# Altium PCB Mixed_Signal_Board_PCB.PcbDoc (part 3 of 4)
Units mm, origin at the board's own origin, x right, y up, seen from the top; angles counter-clockwise.
Board outline 144 x 107 mm, 4 copper layers (Top, PWR, GND, Bottom), stack 1.514 mm thick; 243 components, 208 nets, 912 pads, 526 vias.
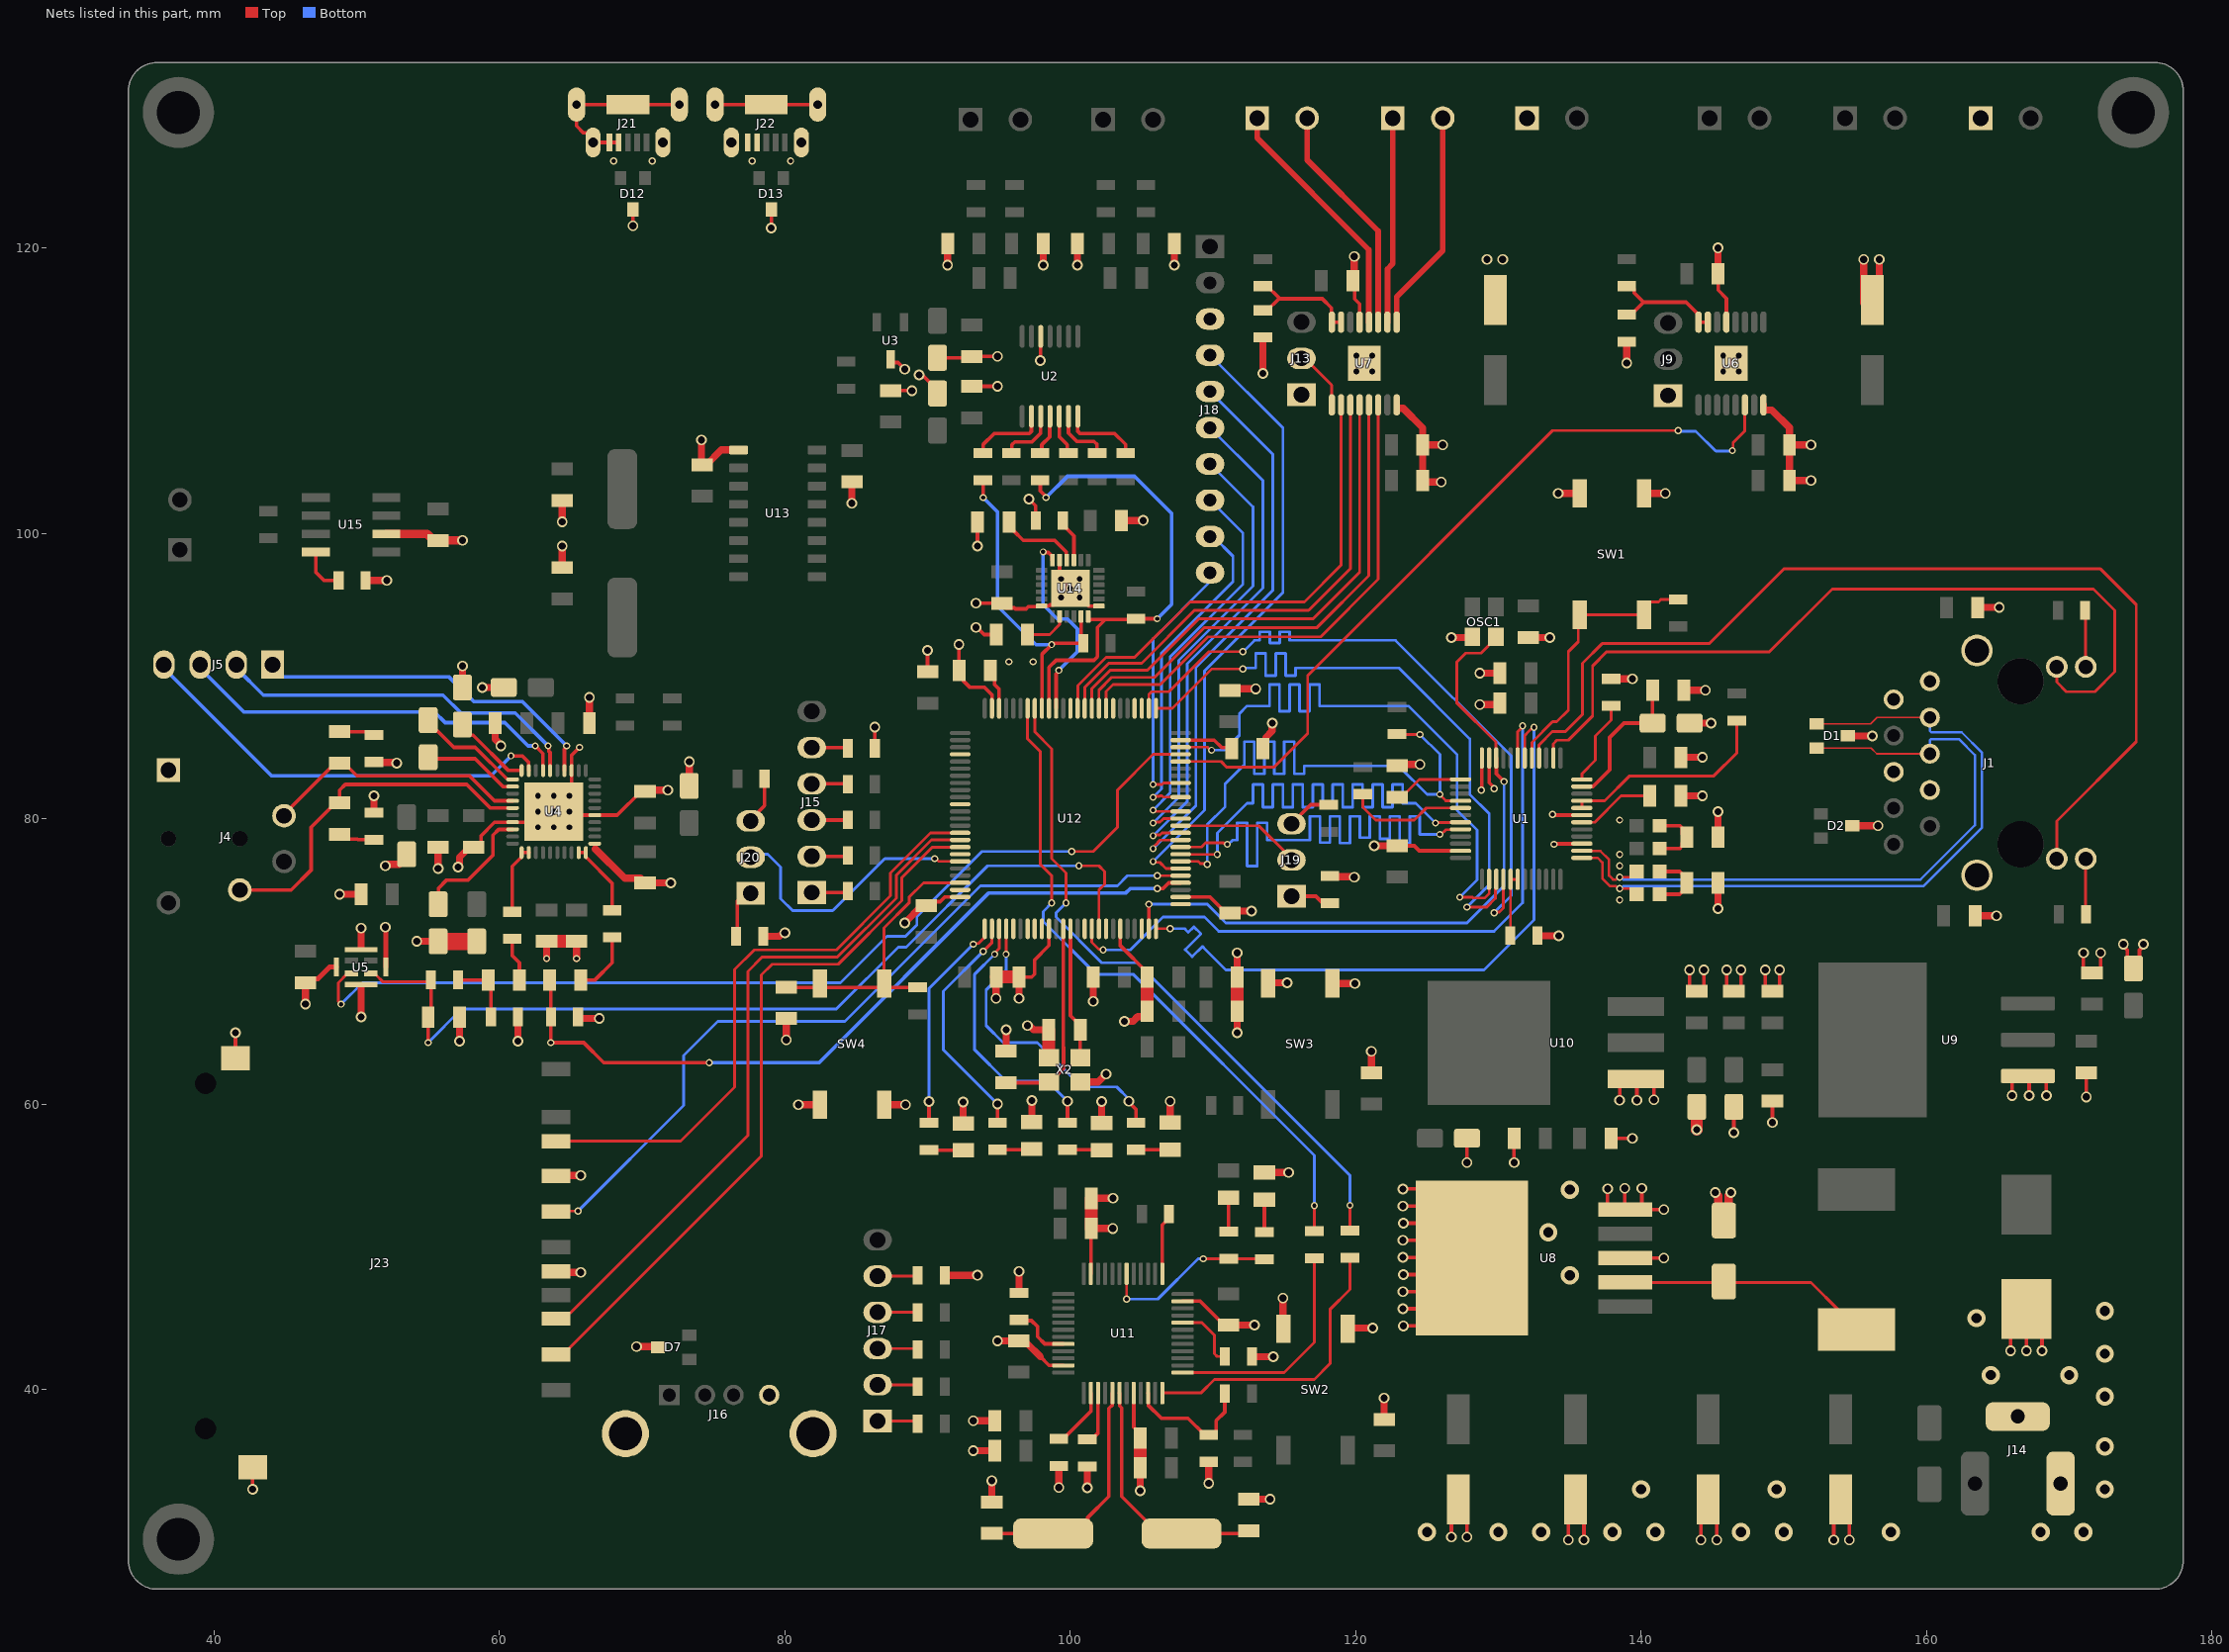
[diagram p5: the nets of this part, all layers, seen from the top]

## Via types
v1: diameter 0.75, hole 0.5, Top to Bottom, 298 vias
v2: diameter 0.5, hole 0.3, Top to Bottom, 142 vias
v3: diameter 1.27, hole 0.711, Top to Bottom, 63 vias
v4: diameter 0.6, hole 0.4, Top to Bottom, 22 vias
v5: diameter 1.25, hole 1, Top to Bottom, 1 vias

## Nets (pads, with @x,y where several pads share a name; then routed paths per layer and width w, separated by ;. In a path a pad name is that pad's centre, name@x,y a point inside that pad or via, vN(x,y) a via of type N, cw(c..) or ccw(c..) an arc to the next point about the centre after c; other vN are vias at no path point) (continued)
DRV1_SLEEP: U6.14 U12.46 | length 55.1
  Top w0.2: U12.46@107.733,84.008 110.568,84.008 110.976,83.6 114.268,83.6 116.635,85.967 116.635,90.035 133.8,107.2 v2(142.6,107.2) ; v2(146.4,105.8) 146.45,105.85 146.45,106.35 147.275,107.175 U6.14@147.275,109
  Bottom w0.2: v2@142.539,107.161 143.839,107.161 145.239,105.761 v2@146.339,105.761
DRV2_AIN1: U7.13 U12.59 | length 35.5
  Top w0.2: U12.59@102.008,87.733 102.008,89.008 102.9,89.9 105.9,89.9 109.4,93.4 117.3,93.4 120.925,97.025 U7.13@120.925,109
DRV2_AIN2: U7.12 U12.60 | length 35.2
  Top w0.2: U12.60@101.508,87.733 101.508,89.108 102.8,90.4 105.4,90.4 109,94 117,94 120.275,97.275 U7.12@120.275,109
DRV2_AOUT1: J10.2 U7.1 | length 15.6
  Top w0.4: U7.1@122.875,114.8 122.875,116.575 126.1,119.8 J10.2@126.1,129.1
DRV2_AOUT2: J10.1 U7.2 | length 14.5
  Top w0.4: U7.2@122.225,114.8 122.225,118.525 122.6,118.9 J10.1@122.6,129.1
DRV2_BIN1: U7.11 U12.61 | length 35
  Top w0.2: U12.61@101.008,87.733 101.008,89.208 102.7,90.9 105,90.9 108.7,94.6 116.7,94.6 119.625,97.525 U7.11@119.625,109
DRV2_BIN2: U7.10 U12.62 | length 34.8
  Top w0.2: U12.62@100.508,87.733 100.527,87.752 100.527,89.327 102.5,91.3 104.5,91.3 108.4,95.2 116.4,95.2 118.975,97.775 U7.10@118.975,109
DRV2_BOUT1: J12.1 U7.4 | length 17.5
  Top w0.4: J12.1@113.1,129.1 113.1,127.7 120.925,119.875 U7.4@120.925,114.8
DRV2_BOUT2: J12.2 U7.3 | length 16.4
  Top w0.4: J12.2@116.6,129.1 116.6,126.171 121.575,121.196 U7.3@121.575,114.8
DRV2_DCY/TOFF: J13.2 U7.9 | length 4.3
  Top w0.2: J13.2@116.2,112.26 116.45,112.26 118.325,110.385 U7.9@118.325,109
DRV2_SLEEP: U7.14 U12.58 | length 35.7
  Top w0.2: U12.58@102.508,87.733 102.508,88.908 103,89.4 106.3,89.4 109.65,92.75 117.55,92.75 121.575,96.775 U7.14@121.575,109
ETH_CRS_DV: R9.1 U1.40 U12.32 | length 46.1
  Top w0.191: U12.32@107.754,77.008 108.967,77.008 109.116,76.859 109.541,76.859 v2(109.6,76.8) ; R9.1@122.91,85.915 122.925,85.9 v2(124.5,85.9) ; v2(125.9,81.7) 125.9,81.663 126.313,81.25 U1.40@127.329,81.25
  Bottom w0.191: v2(109.6,76.8) 109.6,79.6 110.85,80.85 110.85,82.45 112.1,83.7 112.196,83.7 112.196,85.399 112.895,85.399 112.895,83.139 113.594,83.139 113.594,85.399 114.294,85.399 114.294,83.139 114.993,83.139 114.993,85.399 115.693,85.399 115.693,83.139 116.392,83.139 116.392,83.7 116.7,83.7 123,83.7 125,81.7 v2(125.9,81.7) 125.9,84.5 v2(124.5,85.9)
ETH_MDC: U1.31 U12.16 | length 48.3
  Top w0.191: U12.16@101.504,72.266 101.504,71.352 101.997,70.859 102.241,70.859 v2(102.3,70.8) ; U1.31@131.36,84.26 131.35,84.271 131.35,86.09 131.7,86.44 v2(131.7,86.5)
  Bottom w0.191: v2(102.3,70.8) 104.2,70.8 106.5,73.1 109.4,73.1 110.4,72.1 129.7,72.1 131.7,74.1 v2(131.7,86.5)
ETH_MDIO: U1.30 U12.25 | length 48.2
  Top w0.191: U12.25@106.018,72.273 106.046,72.3 v2(107,72.3) ; U1.30@131.85,84.271 131.85,85.834 132.087,86.07 132.416,86.4 v2(132.5,86.4)
  Bottom w0.191: v2(107,72.3) 108,72.3 108.2,72.1 108.268,72.032 108.661,72.425 109.155,71.931 108.043,70.818 108.537,70.324 109.257,71.043 109.482,70.818 109.55,70.75 110.9,69.4 129,69.4 132.5,72.9 v2(132.5,86.4)
ETH_PFBIN1: C10.2 U1.18 | length 5.3
  Top w0.2: U1.18@135.85,79.75 136.75,79.75 138.6,81.6 C10.2@140.4,81.6
ETH_PFBIN2: C11.2 U1.37 | length 5
  Top w0.2: C11.2@122.9,81.5 123.2,81.5 124.45,82.75 U1.37@127.35,82.75
ETH_PFBOUT: C8.1 C9.2 U1.23 | length 10.3
  Top w0.254: U1.23@135.85,82.25 135.859,82.259 136.646,82.259 137.8,83.413 137.8,85.7 138.8,86.7 C8.1@140.8,86.7 C9.2@140.8,88.9
ETH_PHY_RESET: R1.1 SW1.2 SW1.4 U1.29 | length 18.9
  Top w0.2: U1.29@132.35,84.25 132.35,85.35 133.8,86.8 134.1,86.8 134.9,87.6 134.9,91.7 135.6,92.4 135.6,93.731 SW1.4@135.794,93.925 ; SW1.4@135.7,94.3 SW1.2@140.2,94.3 140.2,94.8 140.6,95.2 141.238,95.2 141.413,95.375 R1.1@142.6,95.375
ETH_RBIAS: R11.2 U1.24 | length 6
  Top w0.2: U1.24@135.85,82.75 135.85,83.15 136.8,84.1 136.8,85.8 137.9,86.9 R11.2@137.9,87.9
ETH_REF_CLK: OSC1.3 U1.34 U12.24 | length 48.8
  Top w0.2: OSC1.3@129.825,92.75 129.825,92.65 128.775,91.6 127.7,91.6 127.1,91 127.1,88.1 129.831,85.369 U1.34@129.831,84.819 ; U1.34@129.831,84.269 U1.34@129.85,84.25
  Top w0.254: v2(105.5,74) 105.504,73.996 105.504,72.287 U12.24@105.508,72.283 ; U1.34@129.831,84.819 129.831,84.269 129.859,84.241 129.859,83.141 v2(130.4,82.6)
  Bottom w0.193: v2(105.5,74) 109.6,74 110.6,73
  Bottom w0.2: 110.6,73 110.9,72.7 127.8,72.7 130.4,75.3 v2(130.4,82.6)
ETH_RXD_0: U1.43 U12.33 | length 47.7
  Top w0.191: U12.33@107.741,77.5 v2(110.3,77.5) ; v2(125.6,79.7) 125.629,79.729 127.308,79.729 U1.43@127.34,79.76
  Bottom w0.191: v2(110.3,77.5) 110.3,79 112.386,81.086 112.7,81.086 112.796,81.086 112.796,82.404 113.495,82.404 113.495,80.797 114.194,80.797 114.194,82.404 114.894,82.404 114.894,80.797 115.593,80.797 115.593,82.404 116.293,82.404 116.293,80.797 116.992,80.797 116.992,82.404 117.691,82.404 117.691,80.797 118.391,80.797 118.391,82.404 119.09,82.404 119.09,80.797 119.79,80.797 119.79,82.404 120.489,82.404 120.489,80.797 121.188,80.797 121.188,82.404 121.888,82.404 121.888,80.797 122.587,80.797 122.587,82.404 123.287,82.404 123.287,81.086 123.974,81.086 124.214,81.086 v2(125.6,79.7)
ETH_RXD_1: U1.44 U12.34 | length 48.7
  Top w0.191: U12.34@107.754,78.008 109.185,78.008 109.477,78.3 110.734,78.3 110.775,78.259 110.941,78.259 v2(111,78.2) ; v2(125.9,78.9) 125.984,78.9 126.313,79.229 127.309,79.229 U1.44@127.34,79.26
  Bottom w0.191: v2(111,78.2) 111.084,78.2 111.384,78.5 111.6,78.5 111.696,78.5 111.696,79.718 112.395,79.718 112.395,76.673 113.094,76.673 113.094,79.718 113.794,79.718 113.794,78.5 114.4,78.5 116.7,78.5 116.796,78.5 116.796,80.158 117.495,80.158 117.495,78.323 118.194,78.323 118.194,80.158 118.894,80.158 118.894,78.292 119.593,78.292 119.593,80.158 120.293,80.158 120.293,78.673 120.992,78.673 120.992,80.158 121.691,80.158 121.691,78.59 122.391,78.59 122.391,80.158 123.09,80.158 123.09,78.292 123.79,78.292 123.79,80.158 124.489,80.158 124.489,78.9 124.642,78.9 v2(125.9,78.9)
ETH_TX_EN: U1.2 U12.48 | length 47.8
  Top w0.191: U12.48@107.733,85.008 109.608,85.008 109.816,84.8 v2(109.9,84.8) ; v2(127.3,74.5) 128.179,74.5 128.242,74.437 129.037,74.437 129.35,74.75 U1.2@129.35,75.75
  Bottom w0.191: v2(109.9,84.8) 110.8,84.8 111.85,85.85 111.85,87.35 112.4,87.9 113.871,87.9 113.966,87.9 113.966,89.399 114.666,89.399 114.666,87.526 115.365,87.526 115.365,89.399 116.065,89.399 116.065,87.526 116.764,87.526 116.764,89.399 117.463,89.399 117.463,87.9 117.9,87.9 123.7,87.9 127.1,84.5 127.1,80.6 128.5,79.2 128.5,75.7 v2(127.3,74.5)
ETH_TXD_0: U1.3 U12.51 | length 48.1
  Top w0.191: U12.51@106.018,87.743 107.159,87.743 109.916,90.5 v2(112.1,90.5) ; v2(127.8,73.8) 129.184,73.8 129.796,74.412 129.796,75.066 129.85,75.121 U1.3@129.85,75.75
  Bottom w0.191: v2(112.1,90.5) 112.159,90.559 112.9,90.559 112.996,90.559 112.996,91.593 113.695,91.593 113.695,90.023 114.394,90.023 114.394,91.593 115.094,91.593 115.094,90.023 115.793,90.023 115.793,90.559 116.199,90.559 123.041,90.559 128,85.6 128,81.7 129.354,80.346 129.354,75.354 v2(127.8,73.8)
ETH_TXD_1: U1.4 U12.52 | length 48.4
  Top w0.191: U12.52@105.508,87.733 105.508,88.708 105.7,88.9 106.9,88.9 109.7,91.7 v2(112.1,91.7) ; v2(129.7,73.4) 129.759,73.459 130.076,73.459 130.35,73.734 U1.4@130.35,75.75
  Bottom w0.191: v2(112.1,91.7) 112.9,92.5 113.183,92.5 113.279,92.5 113.279,93.097 113.978,93.097 113.978,92.305 114.678,92.305 114.678,93.097 115.377,93.097 115.377,92.5 116.117,92.5 122.8,92.5 130.9,84.4 130.9,74.6 v2(129.7,73.4)
F407_BOOT0: J20.2 U12.94 | length 19.2
  Top w0.191: v2(90.5,77.2) 90.584,77.2 90.78,77.004 92.279,77.004 U12.94@92.283,77.008
  Bottom w0.2: J20.2@77.6,77.5 78.8,77.5 79.7,76.6 79.7,74.4 80.55,73.55 83.35,73.55 87,77.2 v2(90.5,77.2)
F407_BOOT1: J19.2 U12.37 | length 8.6
  Top w0.2: U12.37@107.733,79.508 113.2,79.508 115.208,77.5 J19.2@115.458,77.5
F407_OSC_IN: C94.2 U12.12 X2.1 | length 13.6
  Top w0.254: C94.2@96.1,61.5 98.45,61.5 X2.1@98.5,61.55 98.6,61.55 99.508,62.458 99.508,62.496 99.527,62.515 99.527,63.985 99.508,64.004 U12.12@99.508,72.283
F407_OSC_OUT: C96.2 U12.13 X2.3 | length 9.3
  Top w0.254: U12.13@100.008,72.283 100.008,66.192 100.7,65.5 C96.2@100.7,65.2 X2.3@100.7,63.25
F407_USR_BTN: C97.1 R60.1 SW4.2 SW4.4 U12.97 | length 20
  Top w0.2: SW4.4@86.95,68.45 86.95,72.35 88.7,74.1 88.7,74.5 89.708,75.508 U12.97@92.283,75.508
  Top w0.254: C97.1@80.1,68.2 80.125,68.175 R60.1@89.3,68.175
F407_VCAP1: C98.2 U12.49 | length 3.9
  Top w0.254: U12.49@107.733,85.508 110.092,85.508 110.618,84.982 111.118,84.982 C98.2@111.3,84.8
F407_VCAP2: C99.2 U12.73 | length 2.8
  Top w0.254: C99.2@94.6,90.4 94.682,90.318 94.682,89.418 95.008,89.092 U12.73@95.008,87.733
FILT+: C41.1 U4.18 | length 8.9
  Top w0.254: C41.1@55.7,74 55.737,74.037 55.737,75.137 56.3,75.7 57.8,75.7 59.546,77.446 59.546,78.846 59.945,79.245 60.92,79.245 U4.18@60.925,79.25
FLYN: C36.2 U4.11 | length 7.7
  Top w0.254: C36.2@55,86.8 55,86.676 55.53,86.145 55.655,86.145 56.8,85 58.3,85 60.545,82.755 60.92,82.755 U4.11@60.925,82.75
FLYP: C36.1 U4.12 | length 6.7
  Top w0.254: C36.1@55,84.2 58.3,84.2 60.25,82.25 U4.12@60.925,82.25
GND: C1.1 C2.1 C3.1 C4.1 C5.1 C6.1 C7.1 C8.2 C9.1 C10.1 C11.1 C12.2 C13.2 C14.2 C16.2 C17.2 C18.1 C19.1 C20.1 C21.2 C23.1 C24.1 C26.2 C27.2 C28.1 C29.1 C30.1 C31.2 C32.1 C33.1 C34.1 C38.1 C40.2 C41.2 C42.2 C43.1 C44.1 C45.1 C46.1 C47.2 C48.1 C49.1 C50.1 C51.2 C52.1 C53.1 C54.1 C55.2 C56.2 C57.2 C58.2 C59.2 C60.2 C61.2 C62.2 C63.2 C64.1 C65.1 C66.1 C67.1 C68.1 C69.1 C70.1 C71.1 C72.1 C73.1 C74.1 C75.1 C76.1 C77.1 C78.1 C79.1 C80.1 C81.2 C82.1 C83.1 C84.1 C85.1 C86.1 C87.1 C88.1 C89.1 C90.1 C91.1 C92.1 C93.1 C94.1 C95.2 C96.1 C97.2 C98.1 C99.1 C100.1 C101.1 C102.1 C103.1 C104.1 C105.1 C106.1 C107.1 C108.1 D1.3 D2.3 D4.2 D6.1 D7.3 D8.1 D9.1 D10.1 D11.1 D12.3 D13.3 J1.1 J1.2 J1.6 J1.7 J1.15 J1.16 J4.1 J7.1 J9.1 J11.1 J13.1 J14.2 J14.3 J16.4 J16.SH1 J16.SH2 J18.3 J21.4 J21.5 J21.SH1 J21.SH2 J21.SH3 J21.SH4 J21.SH5 J22.4 J22.5 J22.SH1 J22.SH2 J22.SH3 J22.SH4 J22.SH5 J23.3 J23.6 J23.SH1 J23.SH2 OSC1.2 R6.2 R11.1 R24.2 R25.2 R29.1 R30.2 R34.1 R36.1 R41.1 R44.2 R49.1 R50.1 R51.2 R52.1 R53.2 R67.1 R68.1 R71.2 R73.2 SW1.1 SW1.3 SW2.1 SW2.3 SW3.1 SW3.3 SW4.1 SW4.3 U1.15 U1.19 U1.35 U1.36 U1.47 U2.12 U3.3 U4.3 U4.17 U4.31 U4.35 U4.41 U5.5 U6.5 U6.16 U6.17 U7.5 U7.16 U7.17 U8.3 U8.5 U8.6 U9.1 U10.1 U11.8 U11.23 U11.35 U11.47 U12.10 U12.20 U12.27 U12.74 U12.99 U13.1 U14.1 U14.11 U14.18 U14.25 U15.2 X2.2 X2.4 | length 437.6
  Top w0.254: J23.SH1@41.5,63.2 v1(41.5,65) ; v1(42.7,33) J23.SH2@42.7,34.55 ; R25.2@51.2,83.975 R25.2@51.238,83.938 ; v1(52,76.7) v1@52.094,76.794 ; v1@52.763,83.938 v1(52.8,83.9) ; C27.2@52.97,76.794 53.5,77.324 C27.2@53.5,77.5 ; v1(57.1,76.6) v1@57.195,76.695 ; C29.1@57.9,78 C29.1@58.2,78 58.377,78 58.7,78.323 58.7,78.8 59.65,79.75 U4.17@60.925,79.75 61.95,79.75 U4.41@62.15,79.95 ; v1(60.1,85.1) v1@60.1,85.169 ; J23.3@63.95,48.26 J23.3@64.01,48.2 ; J23.6@63.95,54.97 J23.6@63.98,55 ; U4.41@65.45,79.95 65.45,79.977 65.723,80.25 U4.35@66.675,80.25 68.25,80.25 69.9,81.9 C28.1@70.2,81.9 C28.1@70.3,82 ; U4.41@65.45,82.15 65.323,82.15 65.05,82.423 U4.3@65.05,83.375 65.05,84.45 v2(65.6,85) ; R29.1@65.5,66.1 R29.1@65.6,66 ; U4.31@66.675,78.25 66.71,78.25 66.722,78.238 66.722,77.878 ; J21.4@68.35,127.4 J21.5@67.7,127.4 J21.SH5@66.55,127.4 66.55,127.71 66.182,128.077 65.873,128.077 65.4,128.55 J21.SH4@65.4,130.05 J21.SH1@72.6,130.05 ; D12.3@69.3,122.65 D12.3@69.35,122.7 v1(69.35,121.55) ; C32.1@69.877,75.823 C32.1@70.2,75.5 ; D7.3@71.05,43 D7.3@71.1,42.95 ; J22.SH4@75.1,130.05 78.694,130.05 J22.SH3@78.7,130.056 78.706,130.05 J22.SH1@82.3,130.05 ; J16.4@78.9,39.61 J16.4@79.08,39.61 ; v1(79.05,121.4) D13.3@79.05,122.7 ; v1@79.866,72 v1(80,72) ; J16.SH2@81.79,36.9 J16.SH2@81.97,36.9 ; R44.2@86.304,84.922 v1(86.304,86.422) ; C24.1@87.4,110 v1(88.9,110) ; U3.3@87.4,112.2 87.4,112.141 87.573,111.968 87.932,111.968 v1(88.4,111.5) v1@88.4,111.366 ; v1(89.4,111.1) 89.495,111.005 89.74,111.005 90.7,110.045 C16.2@90.7,109.8 ; C88.1@89.6,73.9 C88.1@89.9,73.9 ; C88.1@89.918,74.182 90.882,74.182 91.208,74.508 U12.99@92.283,74.508 ; C87.1@90,90.3 v1(90,91.8) ; C17.2@90.7,112.3 93,112.3 C19.1@93.1,112.4 v1(94.9,112.4) ; C99.1@92.2,89.97 C99.1@92.2,90.126 ; v1(92.2,92.2) C99.1@92.2,90.4 C99.1@92.2,90.126 ; C18.1@93.1,110.3 v1(94.9,110.3) ; v1(93.4,93.4) 93.469,93.4 93.969,92.9 C106.1@94.8,92.9 ; v1(93.4,95.1) C104.1@95.2,95.1 95.523,94.777 96.067,94.777 96.144,94.7 96.9,94.7 97.058,94.858 97.727,94.858 97.769,94.9 U14.18@98,94.9 98.438,94.9 98.465,94.927 98.539,94.927 98.589,94.977 98.827,94.977 v4(99.35,95.5) ; v1(93.5,99.1) C107.1@93.5,100.8 ; U12.74@94.508,87.733 94.508,88.692 94,89.2 92.97,89.2 92.523,89.647 92.523,89.803 C99.1@92.2,90.126 ; C89.1@96.4,68.9 97.3,68.9 97.5,69.1 97.5,70.1 98.508,71.108 U12.10@98.508,72.283 ; v1(97.1,102.4) 97.575,101.925 R71.2@97.575,100.9 ; 97.9,42.3 98.508,41.692 99.505,41.692 U11.47@99.518,41.679 ; v1(97.9,112.1) 97.913,112.113 97.913,113.787 U2.12@97.927,113.8 ; U14.11@99.25,98.125 99.25,96.9 v4(99.35,96.8) ; U14.25@100.25,97.2 v4(100.65,96.8) ; v4(100.65,95.5) 100.7,95.5 101.3,94.9 U14.1@102,94.9 ; U11.35@101.448,48.109 101.448,51.279 C76.1@101.478,51.309 ; C72.1@101.628,53.46 C72.1@101.688,53.4 ; U12.20@103.508,72.283 103.508,71.092 105.4,69.2 C90.1@105.4,68.9 ; U11.8@104.448,39.749 104.448,37.352 104.9,36.9 C78.1@104.9,36.6 ; U12.27@107.733,74.508 109.792,74.508 110.9,73.4 C86.1@111.2,73.4 C86.1@111.316,73.516 ; U11.23@107.878,46.179 109.121,46.179 110.8,44.5 C75.1@111.1,44.5 ; C85.1@111.2,89 C85.1@111.3,89.1 ; SW3.3@113.95,68.45 SW3.3@114,68.5 ; SW2.3@114.9,44.3 SW2.3@114.95,44.25 ; R67.1@118.2,75.975 R67.1@118.238,75.938 ; SW2.1@119.45,44.25 SW2.1@119.5,44.3 ; C50.1@119.6,117.7 119.923,117.377 119.923,116.422 120.275,116.07 U7.5@120.275,114.8 ; C50.1@119.8,117.7 C50.1@119.9,117.8 ; v1@119.862,75.938 v1(119.9,75.9) ; C2.1@122.9,78.1 124.1,78.1 124.45,77.75 U1.47@127.35,77.75 ; C11.1@122.95,83.75 C11.1@123,83.8 ; v1(123.303,45.65) U8.6@124.277,45.65 ; v1(123.303,46.85) U8.6@124.277,46.85 ; v1(123.303,49.25) U8.6@124.277,49.25 ; v1(123.303,50.45) U8.6@124.277,50.45 ; v1(123.303,52.85) U8.6@124.277,52.85 ; v1(123.303,54.05) U8.6@124.277,54.05 ; v1(123.34,44.45) U8.6@124.277,44.45 ; v1(123.34,48.05) U8.6@124.277,48.05 ; v1(123.34,51.65) U8.6@124.277,51.65 ; C58.2@126.6,31.7 C58.2@127.2,32.3 C58.2@127.7,31.8 ; v1(126.7,29.65) C58.2@126.7,31.15 ; v1(127.8,29.65) C58.2@127.8,32.6 ; v1(127.8,55.9) C63.2@127.8,57.6 ; OSC1.2@128.125,92.7 OSC1.2@128.175,92.75 ; v2(128.8,82) 128.841,82.041 128.841,84.241 U1.36@128.85,84.25 ; U1.35@129.35,84.25 129.35,82.517 129.7,82.167 v2(129.7,82.1) ; C4.1@130,88 C4.1@130.1,88.1 ; v1(131.1,55.9) C71.1@131.1,57.6 ; v2(133.8,80.3) 133.85,80.25 U1.19@135.85,80.25 ; v2(133.9,78.2) 133.941,78.241 135.841,78.241 U1.15@135.85,78.25 ; v1(134.9,29.45) C57.2@134.9,30.95 ; v1(136,29.45) C57.2@136,32.4 ; 137.65,53.123 v1(137.65,54.06) ; C70.1@137.9,57.6 v1(139.4,57.6) ; v1(138.5,60.263) U10.1@138.5,61.237 ; 138.85,53.123 v1(138.85,54.097) ; U8.3@138.9,49.2 v1(141.6,49.2) ; U8.5@138.9,52.6 v1(141.6,52.6) ; U10.1@139.65,61.76 U10.1@140.577,61.76 ; v1(139.7,60.263) U10.1@139.7,61.237 ; 140.05,53.123 v1(140.05,54.097) ; v1(140.9,60.3) U10.1@140.9,61.237 ; C69.1@143.4,67.9 v1(143.4,69.4) ; v1(144.2,29.45) C56.2@144.2,32.5 ; C69.1@144.4,67.9 v1(144.4,69.4) ; v1(145.3,29.45) C56.2@145.3,32.5 ; C54.1@145.4,118.2 145.4,117.04 145.975,116.465 U6.5@145.975,114.8 ; C68.1@146,67.9 v1(146,69.4) ; v1(146.5,58) C61.2@146.5,59.8 ; C68.1@147,67.9 v1(147,69.4) ; C67.1@148.7,67.9 v1(148.7,69.4) ; v1(149.2,58.7) C66.1@149.2,60.2 ; C67.1@149.7,67.9 v1(149.7,69.4) ; v1(153.5,29.45) C55.2@153.5,30.95 ; v1(154.6,29.45) C55.2@154.6,32.4 ; v1(165.9,42.7) C59.2@165.9,44.2 ; v1(166,60.6) 166,61.592 166.368,61.96 U9.1@167.1,61.96 ; v1(167,42.7) C59.2@167,45.65 ; v1(167.2,60.6) 167.2,61.86 U9.1@167.1,61.96 ; v1(168.1,42.7) C59.2@168.1,44.2 ; v1(168.4,60.6) 168.4,61.592 168.032,61.96 U9.1@167.1,61.96 ; C64.1@170.8,62.2 170.877,62.2 171.2,61.877 v1(171.2,60.5) ; C65.1@171,69.1 v1(171,70.6) ; C65.1@172.2,69.1 v1(172.2,70.6) ; v1(173.8,71.2) 173.8,71.066 174.08,70.786 174.08,69.48 C60.2@174,69.4 ; C60.2@175,69.4 174.92,69.48 174.92,70.786 175.2,71.066 v1(175.2,71.2)
  Top w0.34: v1(52,72.4) 52.025,72.375 U5.5@52.025,69.6
  Top w0.35: C45.1@46.4,68.5 46.675,68.775 47.275,68.775 48.1,69.6 U5.5@48.575,69.6
  Top w0.5: v1(46.4,67) C45.1@46.4,68.5 ; v1(48.8,74.7) C46.1@50.3,74.7 ; v1(50.3,66.1) 50.3,68.2 ; 50.3,71 v1(50.3,72.325) ; R73.2@50.625,96.7 v1(52.1,96.7) ; R24.2@51.2,80.425 v1(51.2,81.6) ; R25.2@51.238,83.938 v1@52.763,83.938 ; v1@52.094,76.794 C27.2@52.97,76.794 ; v1(54.2,71.4) C41.2@55.7,71.4 ; v1(55.7,76.5) C30.1@55.7,78 ; v1@57.195,76.695 57.195,77.295 C29.1@57.9,78 ; v1(57.2,64.4) C38.1@57.2,66.1 ; C40.2@57.4,89.2 v1(57.4,90.7) ; v1(58.8,89.2) C31.2@60.3,89.2 ; C33.1@59.7,86.7 59.7,85.569 v1@60.1,85.169 ; v1(61.3,64.4) R30.2@61.3,66.1 ; v2(63.3,70.2) C44.1@63.3,71.4 ; J23.6@63.98,55 v1(65.7,55) ; J23.3@64.01,48.2 v1(65.7,48.2) ; C103.1@64.4,97.6 v1(64.4,99.1) ; v1(64.4,100.8) C102.1@64.4,102.3 ; v2(65.4,70.2) C43.1@65.4,71.4 ; R29.1@65.6,66 v1(67,66) ; C34.1@66.3,86.7 v1(66.3,88.5) ; 66.722,77.878 68.777,75.823 C32.1@69.877,75.823 ; v1(69.6,43) D7.3@71.05,43 ; C32.1@70.2,75.5 v1(72,75.5) ; C28.1@70.3,82 v1(71.8,82) ; C26.2@73.3,82.3 v1(73.3,84) ; C101.1@74.158,104.746 v1(74.158,106.546) ; C101.1@74.2,104.8 74.5,104.8 75.545,105.845 U13.1@76.75,105.845 ; R68.1@78.475,71.75 79.616,71.75 v1@79.866,72 ; v1(80.1,64.5) C97.2@80.1,66 ; v1(80.95,59.95) SW4.1@82.45,59.95 ; v1(84.7,102.1) C100.1@84.7,103.6 ; SW4.3@86.95,59.95 v1(88.45,59.95) ; v1(88.4,72.7) C88.1@89.6,73.9 ; R53.2@91.2,48 v1(93.5,48) ; v1(91.4,118.8) C20.1@91.4,120.3 ; D8.1@92.5,58.65 v1(92.5,60.15) ; v1(93.2,35.7) C79.1@94.7,35.7 ; v1(93.2,37.8) C73.1@94.7,37.8 ; C80.1@94.5,32.1 v1(94.5,33.6) ; v1(94.8,67.4) C84.1@94.8,68.9 ; v1(94.9,43.4) C77.1@96.4,43.4 96.6,43.2 97,43.2 97.9,42.3 ; C94.1@95.5,63.7 v1(95.5,65.2) ; R52.1@96.4,46.775 v1(96.4,48.275) ; v1(96.4,67.4) C89.1@96.4,68.9 ; v1(97,65.5) 97.134,65.5 97.434,65.2 C96.1@98.5,65.2 ; D9.1@97.3,58.75 v1(97.3,60.25) ; v1(98.1,118.8) C14.2@98.1,120.3 ; v1(99.2,33.125) R49.1@99.2,34.625 ; v1(100.5,118.8) C23.1@100.5,120.3 ; X2.2@100.7,61.55 101.95,61.55 v1(102.5,62.1) ; v1(101.2,33.1) R50.1@101.2,34.6 ; C76.1@101.478,51.279 v1(102.978,51.279) ; v1(101.6,67.2) C83.1@101.6,68.9 ; C72.1@101.688,53.4 v1(103,53.4) ; D10.1@102.2,58.675 v1(102.2,60.175) ; C105.1@103.6,100.9 v1(105.1,100.9) ; v1(103.8,65.8) 104.4,65.8 104.718,66.118 105.077,66.118 C92.1@105.4,66.441 ; v1(104.9,32.9) C74.1@104.9,34.5 ; D11.1@107,58.7 v1(107,60.2) ; v1(107.3,118.8) C21.2@107.3,120.3 ; v1(109.7,33.425) R41.1@109.7,34.925 ; C75.1@111.1,44.5 v1(112.9,44.5) ; C85.1@111.3,89.1 v1(113,89.1) ; C86.1@111.316,73.516 v1(112.7,73.516) ; v1(111.7,65) C93.1@111.7,66.5 ; C91.1@111.7,68.9 v1(111.7,70.6) ; C82.1@112.5,32.3 v1(114,32.3) ; R51.2@112.725,42.3 v1(114.225,42.3) ; C98.1@113.5,84.9 113.7,85.1 113.7,85.7 114.137,86.137 114.137,86.672 v1(114.166,86.7) ; v1(113.5,111.2) R36.1@113.5,113.725 ; D6.1@113.6,55.2 v1(115.3,55.2) ; SW3.3@114,68.5 v1(115.2,68.5) ; SW2.3@114.9,44.3 v1(114.9,46.4) ; R67.1@118.238,75.938 v1@119.862,75.938 ; SW3.1@118.45,68.45 v1(119.95,68.45) ; SW2.1@119.5,44.3 v1(121.2,44.3) ; C50.1@119.9,117.8 v1(119.9,119.4) ; C95.2@121.1,62.2 v1(121.1,63.7) ; v1(121.3,78.1) C2.1@122.9,78.1 ; C81.2@122,37.9 v1(122,39.4) ; U7.16@122.966,108.768 123.332,108.768 124.7,107.4 C48.1@124.7,106.2 ; C11.1@123,83.8 v1(124.5,83.8) ; v1(126,103.6) 124.8,103.6 C49.1@124.7,103.7 C48.1@124.7,106.2 ; v1(126.1,106.2) C48.1@124.7,106.2 ; v1(126.7,92.7) OSC1.2@128.125,92.7 ; v1(128.7,88) C4.1@130,88 ; v1(128.7,90.2) C1.1@129.9,90.2 ; C6.1@132.1,92.7 v1(133.6,92.7) ; R6.2@132.725,71.8 v1(134.225,71.8) ; v1(134.2,102.8) SW1.3@135.7,102.8 ; R11.1@137.9,89.8 v1(139.4,89.8) ; v1(139,111.925) R34.1@139,113.425 ; SW1.1@140.2,102.8 v1(141.7,102.8) ; C3.1@142.8,84.3 v1(144.3,84.3) ; C10.1@143,81.6 v1(144.3,81.6) ; C9.1@143,89 v1(144.5,89) ; C8.2@143.4,86.7 v1(144.9,86.7) ; v1(145.4,73.7) C7.1@145.4,75.5 ; C5.1@145.4,78.7 v1(145.4,80.5) ; C54.1@145.4,118.2 v1(145.4,120) ; U6.16@148.575,109 148.575,108.668 148.6,108.643 149.157,108.643 150.393,107.407 150.393,106.207 C53.1@150.4,106.2 ; v1(151.9,103.7) C52.1@150.4,103.7 C53.1@150.4,106.2 ; v1(151.9,106.2) C53.1@150.4,106.2 ; D1.3@154.5,85.8 v1(156.2,85.8) ; D2.3@154.8,79.5 v1(156.6,79.5) ; C51.2@155.6,116.15 v1(155.6,119.2) ; C51.2@156.7,116.15 v1(156.7,119.2) ; C12.2@163.4,73.2 v1(164.9,73.2) ; C13.2@163.6,94.8 v1(165.1,94.8)
  Top w0.6: U15.2@52.07,99.965 54.935,99.965 55.4,99.5 C108.1@55.7,99.5 v1(57.4,99.5) ; v1(145.2,53.8) 145.2,53.759 145.403,53.557 145.403,52.237 D4.2@145.8,51.84 146.147,52.187 146.147,53.607 146.3,53.759 v1(146.3,53.8)
  Top w0.8: v1(143.9,58.2) C62.2@143.9,59.8
  Top w0.9: C44.1@63.3,71.4 C43.1@65.4,71.4 ; C84.1@94.8,68.9 C89.1@96.4,68.9 ; X2.4@98.5,63.25 C96.1@98.5,65.2 ; C76.1@101.478,51.279 C72.1@101.478,53.379 ; C74.1@104.9,34.5 C78.1@104.9,36.6 ; C92.1@105.4,66.441 C92.1@105.4,66.5 C90.1@105.4,68.9 ; C93.1@111.7,66.5 C91.1@111.7,68.9
  Top w1.2: C41.2@55.7,71.4 C42.2@58.4,71.4
  other v1: 129.2,119.2 130.3,119.2
  other v2: 138.5,74.3 138.5,76.7 138.5,77.5 138.5,79.9 95.7,91 97.4,91 68,126.1 70.7,126.1 77.7,126.1 80.4,126.1
  other v3: 125,30 130,30 133,30 138,30 141,30 147,30 150,30 157.5,30 168,30 171,30 140,33 149.5,33 172.5,33 172.5,36 172.5,39.5 164.5,41 170,41 172.5,42.5 163.5,45 172.5,45.5 135,48 133.5,51 135,54
  other v4: 62.7,79.4 63.8,79.4 64.9,79.4 62.7,80.5 63.8,80.5 64.9,80.5 62.7,81.6 63.8,81.6 64.9,81.6 100,96.15 120.05,111.35 121.15,111.35 145.75,111.35 146.85,111.35 120.05,112.45 121.15,112.45 145.75,112.45 146.85,112.45
HP_LINE_OUTA: C35.1 J4.3 U4.14 | length 18.7
  Top w0.254: J4.3@44.9,80.2 44.9,80.3 48.5,83.9 C35.1@48.8,83.9 49.1,83.9 50,83 57.9,83 59.645,81.255 59.892,81.255 59.896,81.25 U4.14@60.925,81.25
HP_LINE_OUTB: C25.1 J4.2 U4.15 | length 25.2
  Top w0.254: J4.2@41.8,75 45.4,75 46.799,76.399 46.799,79.399 48.5,81.1 C25.1@48.8,81.1 48.8,82 49.2,82.4 57.7,82.4 59.35,80.75 U4.15@60.925,80.75
IMU_INT: U12.65 U14.12 | length 14
  Top w0.254: v2(98.1,98.7) 98.147,98.653 98.472,98.653 98.702,98.423 98.702,98.173 U14.12@98.75,98.125 ; U12.65@98.987,87.756 99.008,87.777 99.008,89.441 99.008,90.141 99.2,90.333 v2(99.2,90.4)
  Bottom w0.254: v2(98.1,98.7) 98.1,95 99.1,94 99.8,94 100.5,93.3 100.5,91.7 v2(99.2,90.4)
IMU_SCL/ADC_SCLK: R16.1 R70.1 U12.67 U14.23 | length 23.1
  Top w0.254: v2(93.9,102.5) R16.1@93.9,103.702 ; U12.67@98.008,87.733 98.008,91.508 v2(98.7,92.2) 98.767,92.2 98.867,92.3 R70.1@100.925,92.3 100.75,92.475 U14.23@100.75,94.175
  Bottom w0.254: v2(93.9,102.5) 94.9,101.5 94.9,94.9 97.6,92.2 v2(98.7,92.2)
IMU_SDA/ADC_DOUT: R17.1 R69.1 U12.66 U14.24 | length 34.1
  Top w0.254: R17.1@97.9,103.702 97.9,102.967 98.3,102.567 v2(98.3,102.5) ; U12.66@98.508,87.733 98.508,90.608 99,91.1 101.651,91.1 101.9,91.349 101.9,93.4 102.456,93.956 ; U14.24@101.25,94.175 101.25,94.004 101.298,93.956 102.456,93.956 ; R69.1@104.6,93.956 102.456,93.956 ; R69.1@104.6,94.025 104.612,94.012 v2(106.088,94.012)
  Bottom w0.254: v2(98.3,102.5) 99.8,104 104.5,104 107.1,101.4 107.1,95.025 v2(106.088,94.012)
LED_ACT: J1.11 U1.26 | length 57.8
  Top w0.2: U1.26@133.85,84.25 133.85,85.25 134.1,85.5 134.9,85.5 136.6,87.2 136.6,90.7 137.6,91.7 149,91.7 153.4,96.1 171.7,96.1 173.2,94.6 173.2,90.3 171.8,88.9 169.8,88.9 169.13,89.57 J1.11@169.13,90.64
LED_BLUE: R61.1 U12.1 | length 15.4
  Top w0.2: v2(93.2,71.2) 93.257,71.257 93.557,71.257 94.008,71.708 U12.1@94.008,72.283
  Top w0.254: R61.1@90.1,58.675 v1(90.1,60.175)
  Bottom w0.2: v1(90.1,60.175) 90.1,68.1 v2(93.2,71.2)
LED_GREEN: R62.1 U12.2 | length 16.6
  Top w0.2: v2(93.9,70.7) 94.489,71.289 94.489,72.264 U12.2@94.508,72.283
  Top w0.254: R62.1@94.9,58.7 v1(94.9,60)
  Bottom w0.2: v2(93.9,70.7) 91.1,67.9 91.1,63.8 v1(94.9,60)
LED_LINK: J1.13 U1.28 | length 71.1
  Top w0.2: U1.28@132.85,84.25 132.853,84.253 132.853,85.18 133.774,86.1 134.7,86.1 135.9,87.3 135.9,90.9 137.266,92.266 144.766,92.266 150,97.5 172.2,97.5 174.7,95 174.7,85.4 169.13,79.83 J1.13@169.13,77.19
LED_RED: R63.1 U12.3 | length 18.7
  Top w0.2: v2(94.7,70.5) 94.7,70.581 95.008,70.889 U12.3@95.008,72.283
  Top w0.254: R63.1@99.8,58.7 v1(99.8,60.2)
  Bottom w0.2: v2(94.7,70.5) 93.3,69.1 93.3,63.8 95.5,61.6 98.4,61.6 v1(99.8,60.2)
LED_YELLOW: R64.1 U12.4 | length 21.4
  Top w0.2: v2(95.5,70.5) 95.504,70.504 95.504,72.279 U12.4@95.508,72.283
  Top w0.254: v1(104.1,60.2) 104.1,60.131 104.6,59.631 R64.1@104.6,58.7
  Bottom w0.2: v2(95.5,70.5) 95.5,69.4 94.1,68 94.1,65.5 95.3,64.3 97.7,64.3 100.8,61.2 103.249,61.2 104.1,60.349 v1(104.1,60.2)
MIC_CLK: U5.3 U12.47 | length 70.7
  Top w0.2: v2(48.9,67) 48.7,67.2 48.7,68.5 49.35,69.15 U5.3@49.625,69.15 ; v2(100.1,77.7) 101.6,77.7 103.3,79.4 103.3,82 105.808,84.508 U12.47@107.733,84.508
  Bottom w0.2: v2(48.9,67) 50.4,68.5 83.9,68.5 87.15,71.75 88.45,71.75 89.25,72.55 89.25,73.15 93.8,77.7 v2(100.1,77.7)
MIC_DOUT: C38.2 R32.2 U5.4 U12.17 | length 65.9
  Top w0.2: U5.4@50.975,69.15 51.075,69.05 51.35,69.05 51.845,68.555 55.055,68.555 R32.2@55.2,68.7 ; v2(100.6,76.7) 102,76.7 102.4,76.3 102.4,75.4 102.008,75.008 U12.17@102.008,72.283
  Top w0.254: v2(55,64.3) C38.2@55,66.1 55.2,66.3 R32.2@55.2,68.7
  Bottom w0.2: v2(55,64.3) 57.35,66.65 83.6,66.65 87.95,71 88.5,71 94.2,76.7 v2(100.6,76.7)
NetC5_2: C5.2 R2.1 R3.2 | length 4.8
  Top w0.254: R3.2@141.3,77.9 142.7,77.9 142.877,78.077 142.877,78.277 143.2,78.6 142.877,78.923 142.877,79.351 142.728,79.5 R2.1@141.3,79.5
NetC7_2: C7.2 R4.1 R5.2 | length 4.8
  Top w0.254: R5.2@141.3,74.7 142.7,74.7 143.2,75.2 C7.2@143.2,75.5 143.2,75.8 142.7,76.3 R4.1@141.3,76.3
NetC25_2: C25.2 R24.1 | length 2.6
  Top w0.254: C25.2@48.8,78.9 49.123,78.577 50.024,78.577 50.076,78.525 R24.1@51.2,78.525
NetC35_2: C35.2 R25.1 | length 2.5
  Top w0.254: C35.2@48.8,86.1 50.675,86.1 50.9,85.875 R25.1@51.2,85.875
NetC37_1: C37.1 R28.2 | length 4.5
  Top w0.254: C37.1@65.7,68.7 66.7,68.7 67.9,69.9 R28.2@67.9,71.675
NetC39_1: C39.1 R31.2 | length 3.1
  Top w0.254: R31.2@60.9,71.575 60.9,70.4 61.4,69.9 C39.1@61.4,68.7
NetC39_2: C39.2 R30.1 R32.1 | length 4.8
  Top w0.254: R32.1@57.1,68.7 C39.2@59.2,68.7 59.4,68.5 R30.1@59.4,66.1
NetC40_1: C40.1 U4.10 | length 5.6
  Top w0.254: C40.1@57.4,86.6 57.4,86.381 57.93,85.85 58.15,85.85 60.625,83.375 U4.10@61.55,83.375
NetC80_2: C80.2 U11.5 X1.2 | length 16.8
  Top w0.254: C80.2@94.5,29.9 X1.2@98.8,29.9 100.335,29.9 101.227,30.793 101.227,31.027 102.7,32.5 102.7,38.66 102.935,38.895 102.935,39.736 U11.5@102.948,39.749
NetC82_2: C82.2 U11.6 X1.1 | length 17.4
  Top w0.254: U11.6@103.448,39.749 103.461,39.736 103.461,38.839 103.6,38.7 103.6,32.5 106.2,29.9 X1.1@107.8,29.9 112.3,29.9 C82.2@112.5,30.1
NetC106_2: C106.2 U14.20 | length 3.1
  Top w0.2: C106.2@97,92.9 98.548,92.9 99.237,93.589 99.237,94.162 U14.20@99.25,94.175
NetC107_2: C107.2 U14.10 | length 5.6
  Top w0.254: C107.2@95.7,100.8 95.7,100.5 96.023,100.177 96.7,99.5 98.9,99.5 99.71,98.69 99.71,98.165 U14.10@99.75,98.125
NetD4_1: D4.1 L1.1 U8.2 | length 17
  Top w0.2: U8.2@138.9,47.5 145.8,47.5 151.9,47.5 153.9,45.5 L1.1@155.1,45.5
NetD5_1: D5.1 R38.2 | length 2.4
  Top w0.254: R38.2@111.1,51.05 D5.1@111.1,53.45
NetD6_2: D6.2 R39.2 | length 2.3
  Top w0.254: R39.2@113.6,51.025 D6.2@113.6,53.3
NetD8_2: D8.2 R61.2 | length 2.4
  Top w0.254: R61.2@90.1,56.775 92.475,56.775 D8.2@92.5,56.75
NetD9_2: D9.2 R62.2 | length 2.4
  Top w0.254: R62.2@94.9,56.8 97.25,56.8 D9.2@97.3,56.85
NetD10_2: D10.2 R63.2 | length 2.4
  Top w0.254: R63.2@99.8,56.8 102.175,56.8 D10.2@102.2,56.775
NetD11_2: D11.2 R64.2 | length 2.4
  Top w0.254: R64.2@104.6,56.8 D11.2@107,56.8
NetJ1_12: J1.12 R10.2 | length 4
  Top w0.2: R10.2@171.125,94.6 171.16,94.565 J1.12@171.16,90.64
NetJ1_14: J1.14 R8.1 | length 3.9
  Top w0.2: J1.14@171.16,77.19 171.16,73.315 R8.1@171.175,73.3
NetJ15_1: J15.1 R48.1 | length 2.6
  Top w0.254: J15.1@81.879,74.822 84.304,74.822 R48.1@84.404,74.922
NetJ15_2: J15.2 R47.1 | length 2.5
  Top w0.254: J15.2@81.879,77.362 84.344,77.362 R47.1@84.404,77.422
NetJ15_3: J15.3 R46.1 | length 2.5
  Top w0.254: J15.3@81.879,79.902 84.384,79.902 R46.1@84.404,79.922
NetJ15_4: J15.4 R45.1 | length 2.5
  Top w0.254: J15.4@81.879,82.442 84.384,82.442 R45.1@84.404,82.422
NetJ15_5: J15.5 R44.1 | length 2.5
  Top w0.254: J15.5@81.879,84.982 84.344,84.982 R44.1@84.404,84.922
NetJ17_1: J17.1 R58.1 | length 2.9
  Top w0.2: J17.1@86.5,37.78 89.12,37.78 R58.1@89.3,37.6
NetJ17_2: J17.2 R57.1 | length 2.8
  Top w0.2: J17.2@86.5,40.32 89.18,40.32 R57.1@89.3,40.2
NetJ17_3: J17.3 R55.1 | length 2.8
  Top w0.2: J17.3@86.5,42.86 89.24,42.86 R55.1@89.3,42.8
NetJ17_4: J17.4 R54.1 | length 2.8
  Top w0.2: J17.4@86.5,45.4 R54.1@89.3,45.4
NetJ17_5: J17.5 R53.1 | length 2.8
  Top w0.2: J17.5@86.5,47.94 89.24,47.94 R53.1@89.3,48
NetJ19_1: J19.1 R67.2 | length 2.7
  Top w0.254: J19.1@115.5,74.56 117.215,74.56 117.7,74.075 R67.2@118,74.075
NetJ19_3: J19.3 R65.1 | length 3.2
  Top w0.254: J19.3@115.5,79.64 116.835,80.975 R65.1@118.1,80.975
NetJ20_1: J20.1 R68.2 | length 3.5
  Top w0.254: R68.2@76.675,72 76.675,74.235 77.4,74.96 J20.1@77.6,74.96
NetJ20_3: J20.3 R66.1 | length 3.4
  Top w0.254: J20.3@77.6,80.04 77.701,80.04 78.575,80.914 R66.1@78.575,83
NetR6_1: R6.1 U1.5 U1.6 | length 4.5
  Top w0.2: R6.1@130.825,71.8 130.85,71.825 U1.5@130.85,75.75 U1.6@131.35,75.75
NetR7_1: R7.1 U1.41 | length 8.5
  Top w0.2: R7.1@120.5,81.725 120.5,80.808 121.408,79.9 124.1,79.9 124.95,80.75 U1.41@127.35,80.75
NetR12_2: R12.2 U1.20 U1.21 | length 15
  Top w0.2: U1.20@135.85,80.75 U1.21@135.85,81.25 137.45,81.25 139.2,83 145.1,83 146.7,84.6 R12.2@146.7,86.875
NetR15_2: R15.2 U2.3 | length 4.1
  Top w0.254: R15.2@95.877,105.625 95.907,105.655 95.907,106.207 96.104,106.404 97.304,106.404 97.909,107.009 97.909,108.182 U2.3@97.927,108.2
NetR16_2: R16.2 U2.2 | length 5.4
  Top w0.254: R16.2@93.877,105.625 93.884,105.632 93.884,106.207 94.677,107 97.128,107 97.277,107.149 U2.2@97.277,108.2
NetR17_2: R17.2 U2.4 | length 2.9
  Top w0.254: R17.2@97.877,105.625 98.007,105.755 98.007,106.207 98.559,106.759 98.559,108.182 U2.4@98.577,108.2
NetR18_2: R18.2 U2.5 | length 2.8
  Top w0.254: U2.5@99.227,108.2 99.232,108.195 99.232,106.768 99.793,106.207 99.793,105.709 R18.2@99.877,105.625
NetR19_2: R19.2 U2.6 | length 4.1
  Top w0.254: U2.6@99.877,108.2 99.877,107.023 100.467,106.434 101.667,106.434 101.877,106.223 R19.2@101.877,105.625
NetR20_2: R20.2 U2.7 | length 5.4
  Top w0.254: U2.7@100.527,108.2 100.527,107.149 100.676,107 103.1,107 103.877,106.223 R20.2@103.877,105.625
NetR28_1: R28.1 U4.29 U4.30 | length 5.3
  Top w0.254: U4.29@65.55,77.625 U4.30@66.05,77.625 66.05,77.315 67.9,75.465 R28.1@67.9,73.575
NetR31_1: R31.1 U4.21 U4.22 | length 4.9
  Top w0.254: R31.1@60.9,73.475 60.9,76.665 61.55,77.315 U4.21@61.55,77.625 U4.22@62.05,77.625
NetR33_1: R33.1 R34.2 U6.7 U6.8 | length 8.7
  Top w0.254: R34.2@139,115.325 139.3,115.325 140.175,116.2 ; R33.1@139,117.325 139.3,117.325 139.523,117.102 139.523,116.852 140.175,116.2 ; U6.7@144.675,114.8 U6.8@144.025,114.8 144.025,115.325 143.15,116.2 140.175,116.2
NetR35_1: R35.1 R36.2 U7.7 U7.8 | length 8.6
  Top w0.254: R36.2@113.5,115.625 113.8,115.625 114.62,116.445 ; R35.1@113.5,117.325 113.8,117.325 114.62,116.505 114.62,116.445 ; U7.7@118.975,114.8 U7.8@118.325,114.8 118.3,114.825 118.3,115.8 117.655,116.445 114.62,116.445
NetR37_1: R37.1 R41.2 U11.10 | length 9.5
  Top w0.254: U11.10@105.448,39.749 105.461,39.736 105.461,38.895 106.384,37.971 108.254,37.971 109.4,36.825 R41.2@109.7,36.825 110,36.825 110.223,37.048 110.223,37.812 110.825,38.413 R37.1@110.825,39.7
NetR40_1: R40.1 U11.12 | length 20.6
  Top w0.2: U11.12@106.448,39.749 109.149,39.749 110.1,40.7 117.1,40.7 118.2,41.8 118.2,45.6 119.6,47 R40.1@119.6,49.225
NetR42_1: R42.1 U11.13 | length 16
  Top w0.2: U11.13@107.878,41.179 114.979,41.179 117.1,43.3 R42.1@117.1,49.2
NetR49_2: R49.2 U11.2 | length 4.3
  Top w0.254: R49.2@99.2,36.525 99.5,36.525 101.448,38.473 U11.2@101.448,39.749
NetR50_2: R50.2 U11.3 | length 3.7
  Top w0.254: R50.2@101.2,36.5 101.5,36.5 101.948,36.948 U11.3@101.948,39.749
NetR51_1: R51.1 U11.20 | length 4.7
  Top w0.2: U11.20@107.878,44.679 109.221,44.679 110.1,43.8 110.1,42.5 110.292,42.308 110.817,42.308 R51.1@110.825,42.3
NetR52_2: R52.2 U11.44 | length 4.2
  Top w0.254: R52.2@96.4,44.875 96.457,44.818 97.282,44.818 97.7,44.4 97.7,43.7 98.208,43.192 99.505,43.192 U11.44@99.518,43.179
NetR56_2: R56.2 U11.25 | length 4.4
  Top w0.254: U11.25@106.448,48.109 106.448,51.523 106.925,52 R56.2@106.925,52.3
NetR71_1: R71.1 U14.9 | length 3.1
  Top w0.254: R71.1@99.475,100.9 99.475,100.6 100.25,99.825 U14.9@100.25,98.125
NetR73_1: R73.1 U15.8 | length 3.3
  Top w0.254: U15.8@47.13,98.695 47.13,97.27 47.7,96.7 R73.1@48.725,96.7
PA0: U12.23
PA3: U12.26
PA4: C37.2 R29.2 U12.29 | length 54.4
  Top w0.254: C37.2@63.5,68.7 63.6,68.6 R29.2@63.6,66.1 v2(63.6,64.3) 65.9,64.3 67.3,62.9 v2(74.7,62.9) ; v2(106.1,75.1) 106.5,75.1 106.9,75.5 107.725,75.5 U12.29@107.733,75.508
  Bottom w0.254: v2(74.7,62.9) 82.4,62.9 94.3,74.8 103.9,74.8 104.2,75.1 v2(106.1,75.1)
PA6: J18.4 U12.31 | length 43.5
  Top w0.191: v2(105.8,77) 105.859,76.941 106.271,76.941 106.704,76.508 U12.31@107.717,76.508
  Bottom w0.191: v2(105.8,77) 109.4,80.6 109.4,90.357 114.9,95.857 114.9,107.38 J18.4@109.8,112.48
PB0: J18.5 U12.35 | length 39.5
  Top w0.191: v2(105.8,77.9) 105.8,77.984 106.13,78.313 106.13,78.33 106.304,78.504 U12.35@107.679,78.504
  Bottom w0.191: v2(105.8,77.9) 108.8,80.9 108.8,90.606 114.2,96.006 114.2,105.54 J18.5@109.8,109.94
PB1: J18.6 U12.36 | length 35.3
  Top w0.191: v2(105.8,78.8) 105.859,78.859 106.284,78.859 106.433,79.008 U12.36@107.675,79.008
  Bottom w0.191: v2(105.8,78.8) 108.2,81.2 108.2,90.854 113.5,96.154 113.5,103.7 J18.6@109.8,107.4
PB7: U12.93
PB14: U12.53
PB15: U12.54
PC0: U12.15
PC3: U12.18
PC6: U12.63
PC11: U12.79
PC13: U12.7
PC14: U12.8
PC15: U12.9
PD5: U12.86
PD10: U12.57
PE1: U12.98
PE6: U12.5
PE7: J18.7 U12.38 | length 31.3
  Top w0.191: v2(105.8,79.7) 105.859,79.759 106.284,79.759 106.433,79.908 106.437,79.908 106.533,80.004 U12.38@107.679,80.004
  Bottom w0.191: v2(105.8,79.7) 107.6,81.5 107.6,91.103 112.8,96.303 112.8,101.86 J18.7@109.8,104.86
PE8: J18.8 U12.39 | length 27.2
  Top w0.191: v2(105.8,80.6) 105.884,80.6 105.976,80.508 107.675,80.508 U12.39@107.679,80.504
  Bottom w0.191: v2(105.8,80.6) 107,81.8 107,91.351 112.1,96.451 112.1,100.02 J18.8@109.8,102.32
PE10: J18.9 U12.41 | length 23.4
  Top w0.191: v2(105.8,81.5) 105.859,81.559 106.242,81.559 106.291,81.608 106.433,81.608 106.533,81.508 U12.41@107.675,81.508
  Bottom w0.191: v2(105.8,81.5) 106.4,82.1 106.4,91.6 111.4,96.6 111.4,98.4 110.02,99.78 J18.9@109.8,99.78
PE12: J18.10 U12.43 | length 18.4
  Top w0.191: v2(105.8,82.4) 106.429,82.4 106.533,82.504 U12.43@107.679,82.504
  Bottom w0.191: v2(105.8,82.4) 105.8,92.6 109.8,96.6 J18.10@109.8,97.24
RD_N: D1.1 J1.3 R5.1 U1.13 | length 51.3
  Top w0.124: D1.1@152.3,86.65 156.097,86.65 156.537,87.09 J1.3@160.24,87.09
  Top w0.169: U1.13@135.85,77.25 135.863,77.263 136.948,77.263 137.285,76.926 137.285,75.82 137.842,75.263 138.248,75.263 138.411,75.1 v2(138.5,75.1) 138.51,75.09 139.31,75.09 R5.1@139.7,74.7
  Bottom w0.169: v2(138.5,75.1) 138.589,75.1 138.752,75.263 159.783,75.263 163.874,79.354 163.874,84.647 162.464,86.057 160.339,86.057 160.24,86.156 J1.3@160.24,87.09
RD_P: D1.2 J1.5 R4.2 U1.14 | length 49.7
  Top w0.124: D1.2@152.3,84.95 156.117,84.95 156.517,84.55 J1.5@160.24,84.55
  Top w0.169: U1.14@135.85,77.75 135.863,77.737 137.145,77.737 137.759,77.123 137.759,76.016 138.038,75.737 138.248,75.737 138.411,75.9 v2(138.5,75.9) 138.51,75.91 139.31,75.91 R4.2@139.7,76.3
  Bottom w0.169: v2(138.5,75.9) 138.589,75.9 138.752,75.737 159.587,75.737 163.4,79.55 163.4,84.451 162.268,85.583 160.339,85.583 160.24,85.484 J1.5@160.24,84.55
SD_CS: J23.1 U12.92 | length 51.4
  Top w0.2: J23.1@63.95,42.46 64.35,42.86 64.86,42.86 78.35,56.35 78.35,69.05 79.1,69.8 83.738,69.8 88.2,74.262 88.2,75.869 90.339,78.008 U12.92@92.283,78.008
SD_MISO: J23.7 U12.90 | length 43.1
  Top w0.2: J23.7@63.95,57.4 72.7,57.4 76.476,61.176 76.476,69.424 77.852,70.8 83.606,70.8 87.4,74.594 87.4,76.2 90.208,79.008 U12.90@92.283,79.008
SD_MOSI: J23.2 U12.91 | length 49.9
  Top w0.2: J23.2@63.95,44.96 64.35,45.36 64.96,45.36 77.4,57.8 77.4,69.3 78.4,70.3 83.672,70.3 87.8,74.428 87.8,76.034 90.274,78.508 U12.91@92.283,78.508
SD_SCK: J23.5 U12.30 | length 55.6
  Top w0.2: J23.5@63.95,52.47 63.98,52.5 v2(65.5,52.5) ; v2(106.1,76) 106.104,76.004 107.729,76.004 U12.30@107.733,76.008
  Bottom w0.2: v2(65.5,52.5) 72.9,59.9 72.9,63.4 75.3,65.8 84.2,65.8 93.7,75.3 103.3,75.3 104,76 v2(106.1,76)
SPKR_OUTA+: J5.1 U4.4 | length 24.9
  Top w0.254: U4.4@64.55,83.375 64.55,84.883 64.7,85.033 v2(64.7,85.1)
  Bottom w0.254: J5.1@44.1,90.8 44.1,90.6 44.773,89.927 56.473,89.927 58.2,88.2 61.6,88.2 v2(64.7,85.1)
SPKR_OUTA-: J5.2 U4.6 | length 26.1
  Top w0.254: v2(63.4,85.1) 63.447,85.053 63.447,84.742 63.545,84.644 63.545,83.38 U4.6@63.55,83.375
  Bottom w0.254: J5.2@41.56,90.8 41.56,90.55 43.455,88.655 56.045,88.655 57.3,87.4 61.1,87.4 v2(63.4,85.1)
SPKR_OUTB+: J5.3 U4.7 | length 28
  Top w0.254: v2(62.5,85.1) 62.518,85.1 63.045,84.573 63.045,83.38 U4.7@63.05,83.375
  Bottom w0.254: J5.3@39.02,90.8 39.02,90.55 42.085,87.485 55.444,87.485 56.2,86.729 60.371,86.729 62,85.1 v2(62.5,85.1)
SPKR_OUTB-: J5.4 U4.9 | length 30.3
  Top w0.254: v2(60.8,84.4) 60.806,84.394 61.606,84.394 62.045,83.955 62.045,83.38 U4.9@62.05,83.375
  Bottom w0.254: J5.4@36.48,90.8 36.48,90.55 44.03,83 59.4,83 v2(60.8,84.4)
STLINK_LED: R38.1 R39.1 U11.30 | length 12.6
  Top w0.2: v2@103.948,46.334 U11.30@103.948,48.109 ; v2@109.325,49.15 R38.1@111.1,49.15 113.575,49.15 R39.1@113.6,49.125
  Bottom w0.2: v2(103.944,46.33) 106.13,46.33 108.949,49.149 109.316,49.149 v2(109.321,49.154)
STLINK_RX: R42.2 U12.69 | length 47
  Top w0.2: U12.69@97.008,87.733 97.008,85.592 97.9,84.7 97.9,76.8 98.7,76 v2(98.7,74.1) ; R42.2@117.1,51.1 v2@117.1,52.875
  Bottom w0.2: v2(98.7,74.1) 98.1,73.5 98.1,72.8 101.8,69.1 104.4,69.1 117.104,56.396 v2(117.104,52.879)
STLINK_TX: R40.2 U12.68 | length 47.8
  Top w0.2: U12.68@97.508,87.733 97.508,86.092 98.7,84.9 98.7,77.2 99.7,76.2 v2(99.7,74.1) ; R40.2@119.6,51.125 v2@119.6,52.9
  Bottom w0.2: v2(99.7,74.1) 99,73.4 99,73.1 102.2,69.9 104.7,69.9 119.604,54.996 v2(119.604,52.904)

## Text inside footprints (layer, text, board x,y; h text height)
U6: Mechanical 29 "DRV / 8428" at 144,110.25 h1
U7: Mechanical 29 "DRV / 8428" at 118.5,110.5 h1
U8: Mechanical 29 "LM2596" at 128.254,49.004 h1.5
U9: Mechanical 29 "LM1085 / IS-3.3" at 156,62.5 h1.5
U10: Mechanical 29 "LD1085 / D2M18R" at 128.25,62.25 h1.5
U11: Mechanical 29 "STM32 / F103" at 101,42.25 h1
U12: Mechanical 29 "STM32 / F407" at 96.25,78 h1.52
U14: Mechanical 29 "MPU / 6050" at 98.5,94.75 h0.75
U15: Mechanical 29 "SN65 / HVD" at 51.25,98.5 h1 r90
X1: Mechanical 29 "8MHZ" at 97.25,28 h3
X2: Mechanical 29 "25MHZ / CRYSTAL" at 98,61.5 h0.5
X3: Mechanical 29 "12MHZ" at 70,92.75 h2.5 r90